# Allegro board 8880F5-0827_txbegin.brd (continued)
## Routing (per net, layer and track width the routed paths; a pad name or vN(x,y) marks a point on that pad's centre or on a via; arc(x,y) is an arc through that point) (continued)
250.33,180.85 ; 408.94,387.81 D112.B6 ; D112.B6 408.94,389.43 ; D112.B6 408.13,388.62 ; D112.B6 409.75,388.62 ; SITE2.G8 329.33,248.41 ; SITE2.G8 328.85,247.93 ; SITE2.G8 329.81,247.93 ; SITE2.G8 329.33,247.45 ; 316.69,53.34 D103.A5 ; D103.A5 318.31,53.34 ; D103.A5 317.5,54.15 ; D103.A5 317.5,52.53 ; D103.B1 307.34,59.23 ; D103.B1 308.15,58.42 ; D103.B1 306.53,58.42 ; D103.B1 307.34,57.61 ; 179.63,83.82 D317.A9 ; D317.A9 181.05,83.82 ; D317.A9 180.34,83.11 ; D317.A9 180.34,84.53 ; D104.B16 345.44,41.45 ; D104.B16 346.25,40.64 ; D104.B16 345.44,39.83 ; D104.B16 344.63,40.64 ; D119.A1 160.83,53.34 ; D119.A1 160.02,54.15 ; D119.A1 159.21,53.34 ; D119.A1 160.02,52.53 ; 388.62,347.17 D110.B14 ; D110.B14 388.62,348.79 ; D110.B14 389.43,347.98 ; D110.B14 387.81,347.98 ; 199.85,375.92 D231.A1 ; D231.A1 201.47,375.92 ; D231.A1 200.66,375.11 ; D231.A1 200.66,376.73 ; D109.A13 391.16,336.09 ; D109.A13 390.35,335.28 ; D109.A13 391.16,334.47 ; D109.A13 391.97,335.28 ; 387.81,353.06 D110.A14 ; D110.A14 389.43,353.06 ; D110.A14 388.62,352.25 ; D110.A14 388.62,353.87 ; 161.75,332.74 CSDPS229.B16 ; CSDPS229.B16 162.56,333.55 ; CSDPS229.B16 162.56,331.93 ; CSDPS229.B16 163.37,332.74 ; 309.88,352.25 D114.A16 ; D114.A16 310.69,353.06 ; D114.A16 309.88,353.87 ; D114.A16 309.07,353.06 ; 29.67,35.56 D128.A8 ; D128.A8 31.29,35.56 ; D128.A8 30.48,36.37 ; D128.A8 30.48,34.75 ; 254,32.21 D124.A9 ; D124.A9 254.81,33.02 ; D124.A9 254,33.83 ; D124.A9 253.19,33.02 ; D127.B11 38.91,58.42 ; D127.B11 38.1,57.61 ; D127.B11 38.1,59.23 ; D127.B11 37.29,58.42 ; D431.A11 176.07,386.08 ; D431.A11 175.26,385.27 ; D431.A11 174.45,386.08 ; D431.A11 175.26,386.89 ; D102.A6 320.85,76.2 ; D102.A6 320.04,75.39 ; D102.A6 319.23,76.2 ; D102.A6 320.04,77.01 ; D111.A13 391.97,375.92 ; D111.A13 391.16,375.11 ; D111.A13 390.35,375.92 ; D111.A13 391.16,376.73 ; 408.13,347.98 D110.B6 ; D110.B6 408.94,348.79 ; D110.B6 409.75,347.98 ; D110.B6 408.94,347.17 ; D131.B3 91.44,59.23 ; D131.B3 92.25,58.42 ; D131.B3 91.44,57.61 ; D131.B3 90.63,58.42 ; CSDPS429.B12 172.72,343.71 ; CSDPS429.B12 172.72,342.09 ; CSDPS429.B12 171.91,342.9 ; CSDPS429.B12 173.53,342.9 ; 194.87,83.82 D317.A15 ; D317.A15 195.58,83.11 ; D317.A15 196.29,83.82 ; D317.A15 195.58,84.53 ; D120.B6 172.72,41.45 ; D120.B6 171.91,40.64 ; D120.B6 172.72,39.83 ; D120.B6 173.53,40.64 ; 391.16,329.39 D109.B13 ; D109.B13 391.97,330.2 ; D109.B13 390.35,330.2 ; D109.B13 391.16,331.01 ; 237.95,78.74 D122.B3 ; D122.B3 239.57,78.74 ; D122.B3 238.76,77.93 ; D122.B3 238.76,79.55 ; 320.04,331.93 D113.A12 ; D113.A12 320.04,333.55 ; D113.A12 320.85,332.74 ; D113.A12 319.23,332.74 ; D130.B16 124.46,82.09 ; D130.B16 125.27,81.28 ; D130.B16 124.46,80.47 ; D130.B16 123.65,81.28 ; 391.16,32.21 D108.A5 ; D108.A5 391.97,33.02 ; D108.A5 391.16,33.83 ; D108.A5 390.35,33.02 ; 420.83,391.16 D112.B1 ; D112.B1 421.64,391.97 ; D112.B1 422.45,391.16 ; D112.B1 421.64,390.35 ; 11.89,78.74 D126.B1 ; D126.B1 12.7,77.93 ; D126.B1 12.7,79.55 ; D126.B1 13.51,78.74 ; 42.37,93.98 D125.A13 ; D125.A13 43.18,93.17 ; D125.A13 43.18,94.79 ; D125.A13 43.99,93.98 ; 328.55,182.83 SITE4.G13 ; SITE4.G13 329.51,182.83 ; SITE4.G13 329.03,183.31 ; SITE4.G13 329.03,182.35 ; 253.19,340.36 CSDPS425.C9 ; CSDPS425.C9 254,339.55 ; CSDPS425.C9 254.81,340.36 ; CSDPS425.C9 254,341.17 ; CSDPS425.C11 249.73,340.36 ; CSDPS425.C11 248.11,340.36 ; CSDPS425.C11 248.92,339.55 ; CSDPS425.C11 248.92,341.17 ; SITE3.G15 251.91,182.83 ; SITE3.G15 250.95,182.83 ; SITE3.G15 251.43,183.31 ; SITE3.G15 251.43,182.35 ; 266.7,60.15 D123.B14 ; D123.B14 266.7,61.77 ; D123.B14 267.51,60.96 ; D123.B14 265.89,60.96 ; 397.97,327.66 D109.B10 ; D109.B10 398.78,326.85 ; D109.B10 399.59,327.66 ; D109.B10 398.78,328.47 ; 332.33,247.45 SITE2.G11 ; SITE2.G11 331.85,247.93 ; SITE2.G11 332.81,247.93 ; SITE2.G11 332.33,248.41 ; D125.B10 36.37,101.6 ; D125.B10 35.56,100.79 ; D125.B10 35.56,102.41 ; D125.B10 34.75,101.6 ; D305.B5 391.87,88.9 ; D305.B5 390.45,88.9 ; D305.B5 391.16,89.61 ; D305.B5 391.16,88.19 ; D122.A14 266.7,77.01 ; D122.A14 267.51,76.2 ; D122.A14 266.7,75.39 ; D122.A14 265.89,76.2 ; D102.B13 338.63,78.74 ; D102.B13 337.01,78.74 ; D102.B13 337.82,77.93 ; D102.B13 337.82,79.55 ; 165.1,72.85 D118.A3 ; D118.A3 165.1,74.47 ; D118.A3 165.91,73.66 ; D118.A3 164.29,73.66 ; D118.A11 185.42,74.47 ; D118.A11 184.61,73.66 ; D118.A11 186.23,73.66 ; D118.A11 185.42,72.85 ; 322.58,83.11 D301.A7 ; D301.A7 323.29,83.82 ; D301.A7 322.58,84.53 ; D301.A7 321.87,83.82 ; D125.A10 35.56,97.33 ; D125.A10 34.75,96.52 ; D125.A10 35.56,95.71 ; D125.A10 36.37,96.52 ; 243.84,18.24 DPS3.C05 ; DPS3.C05 244.65,19.05 ; DPS3.C05 243.84,19.86 ; DPS3.C05 243.03,19.05 ; 174.45,33.02 D120.A7 ; D120.A7 175.26,32.21 ; D120.A7 176.07,33.02 ; D120.A7 175.26,33.83 ; 162.56,34.75 D120.A2 ; D120.A2 161.75,35.56 ; D120.A2 162.56,36.37 ; D120.A2 163.37,35.56 ; 236.22,90.73 D321.B2 ; D321.B2 236.93,91.44 ; D321.B2 235.51,91.44 ; D321.B2 236.22,92.15 ; D302.A8 325.83,66.04 ; D302.A8 325.12,66.75 ; D302.A8 324.41,66.04 ; D302.A8 325.12,65.33 ; 243.84,67.87 D322.B5 ; D322.B5 244.55,68.58 ; D322.B5 243.84,69.29 ; D322.B5 243.13,68.58 ; D108.A10 403.86,36.37 ; D108.A10 404.67,35.56 ; D108.A10 403.05,35.56 ; D108.A10 403.86,34.75 ; 235.41,81.28 D122.B2 ; D122.B2 236.22,82.09 ; D122.B2 237.03,81.28 ; D122.B2 236.22,80.47 ; 414.02,80.47 D106.B14 ; D106.B14 414.83,81.28 ; D106.B14 413.21,81.28 ; D106.B14 414.02,82.09 ; D116.A8 330.2,394.51 ; D116.A8 329.39,393.7 ; D116.A8 330.2,392.89 ; D116.A8 331.01,393.7 ; 326.85,53.34 D103.A9 ; D103.A9 328.47,53.34 ; D103.A9 327.66,54.15 ; D103.A9 327.66,52.53 ; 39.83,40.64 D128.B12 ; D128.B12 41.45,40.64 ; D128.B12 40.64,41.45 ; D128.B12 40.64,39.83 ; 266.7,55.07 D123.A14 ; D123.A14 267.51,55.88 ; D123.A14 266.7,56.69 ; D123.A14 265.89,55.88 ; D119.B2 162.56,61.77 ; D119.B2 161.75,60.96 ; D119.B2 162.56,60.15 ; D119.B2 163.37,60.96 ; SITE1.G7 248.81,247.93 ; SITE1.G7 248.33,247.45 ; SITE1.G7 247.85,247.93 ; SITE1.G7 248.33,248.41 ; 403.15,71.12 D306.B10 ; D306.B10 404.57,71.12 ; D306.B10 403.86,70.41 ; D306.B10 403.86,71.83 ; D322.B11 259.79,68.58 ; D322.B11 259.08,67.87 ; D322.B11 258.37,68.58 ; D322.B11 259.08,69.29 ; D116.B11 323.39,391.16 ; D116.B11 322.58,391.97 ; D116.B11 321.77,391.16 ; D116.B11 322.58,390.35 ; D127.B2 15.24,61.77 ; D127.B2 16.05,60.96 ; D127.B2 15.24,60.15 ; D127.B2 14.43,60.96 ; 93.17,81.28 D130.B4 ; D130.B4 94.79,81.28 ; D130.B4 93.98,82.09 ; D130.B4 93.98,80.47 ; D124.A6 246.38,36.37 ; D124.A6 245.57,35.56 ; D124.A6 247.19,35.56 ; D124.A6 246.38,34.75 ; D113.B8 330.2,328.47 ; D113.B8 330.2,326.85 ; D113.B8 331.01,327.66 ; D113.B8 329.39,327.66 ; D321.A5 243.84,84.53 ; D321.A5 243.13,83.82 ; D321.A5 244.55,83.82 ; D321.A5 243.84,83.11 ; D106.A6 394.51,76.2 ; D106.A6 393.7,77.01 ; D106.A6 393.7,75.39 ; D106.A6 392.89,76.2 ; D119.B8 178.61,60.96 ; D119.B8 177.8,61.77 ; D119.B8 176.99,60.96 ; D119.B8 177.8,60.15 ; 96.52,37.29 D132.B5 ; D132.B5 96.52,38.91 ; D132.B5 97.33,38.1 ; D132.B5 95.71,38.1 ; D109.B4 414.83,327.66 ; D109.B4 414.02,328.47 ; D109.B4 413.21,327.66 ; D109.B4 414.02,326.85 ; CSDPS429.B4 193.04,343.71 ; CSDPS429.B4 193.85,342.9 ; CSDPS429.B4 193.04,342.09 ; CSDPS429.B4 192.23,342.9 ; D120.B5 170.99,38.1 ; D120.B5 170.18,37.29 ; D120.B5 169.37,38.1 ; D120.B5 170.18,38.91 ; 248.11,78.74 D122.B7 ; D122.B7 248.92,79.55 ; D122.B7 249.73,78.74 ; D122.B7 248.92,77.93 ; 175.26,375.11 D231.A11 ; D231.A11 176.07,375.92 ; D231.A11 175.26,376.73 ; D231.A11 174.45,375.92 ; D116.B10 325.12,389.43 ; D116.B10 324.31,388.62 ; D116.B10 325.12,387.81 ; D116.B10 325.93,388.62 ; CSDPS425.C7 259.08,341.17 ; CSDPS425.C7 258.27,340.36 ; CSDPS425.C7 259.08,339.55 ; CSDPS425.C7 259.89,340.36 ; 249.75,246.43 SITE1.G18 ; SITE1.G18 250.23,246.91 ; SITE1.G18 250.23,245.95 ; SITE1.G18 250.71,246.43 ; D126.A11 38.91,73.66 ; D126.A11 38.1,72.85 ; D126.A11 37.29,73.66 ; D126.A11 38.1,74.47 ; 85.55,78.74 D130.B1 ; D130.B1 86.36,77.93 ; D130.B1 87.17,78.74 ; D130.B1 86.36,79.55 ; 403.86,372.57 D111.A8 ; D111.A8 403.05,373.38 ; D111.A8 403.86,374.19 ; D111.A8 404.67,373.38 ; D302.B7 323.29,68.58 ; D302.B7 322.58,67.87 ; D302.B7 321.87,68.58 ; D302.B7 322.58,69.29 ; 314.15,353.06 D114.A14 ; D114.A14 314.96,353.87 ; D114.A14 314.96,352.25 ; D114.A14 315.77,353.06 ; 197.31,81.28 D118.B16 ; D118.B16 198.12,80.47 ; D118.B16 198.93,81.28 ; D118.B16 198.12,82.09 ; 189.79,88.9 D317.B13 ; D317.B13 190.5,89.61 ; D317.B13 190.5,88.19 ; D317.B13 191.21,88.9 ; 48.26,98.25 D125.B15 ; D125.B15 47.45,99.06 ; D125.B15 48.26,99.87 ; D125.B15 49.07,99.06 ; DPS8.C15 165.1,411.02 ; DPS8.C15 164.29,410.21 ; DPS8.C15 165.1,409.4 ; DPS8.C15 165.91,410.21 ; D129.B5 96.52,99.87 ; D129.B5 96.52,98.25 ; D129.B5 97.33,99.06 ; D129.B5 95.71,99.06 ; 170.18,329.39 CSDPS229.C13 ; CSDPS229.C13 170.18,331.01 ; CSDPS229.C13 170.99,330.2 ; CSDPS229.C13 169.37,330.2 ; 342.9,62.79 D302.A15 ; D302.A15 343.61,63.5 ; D302.A15 342.19,63.5 ; D302.A15 342.9,64.21 ; D127.B8 31.29,60.96 ; D127.B8 29.67,60.96 ; D127.B8 30.48,61.77 ; D127.B8 30.48,60.15 ; D322.B12 261.62,71.83 ; D322.B12 261.62,70.41 ; D322.B12 260.91,71.12 ; D322.B12 262.33,71.12 ; D112.A14 389.43,393.7 ; D112.A14 388.62,392.89 ; D112.A14 388.62,394.51 ; D112.A14 387.81,393.7 ; D119.A14 193.85,55.88 ; D119.A14 193.04,56.69 ; D119.A14 193.04,55.07 ; D119.A14 192.23,55.88 ; 190.5,77.93 D118.B13 ; D118.B13 191.31,78.74 ; D118.B13 189.69,78.74 ; D118.B13 190.5,79.55 ; D317.A16 198.83,86.36 ; D317.A16 197.41,86.36 ; D317.A16 198.12,87.07 ; D317.A16 198.12,85.65 ; 93.98,55.07 D131.A4 ; D131.A4 93.98,56.69 ; D131.A4 94.79,55.88 ; D131.A4 93.17,55.88 ; D102.B7 322.58,79.55 ; D102.B7 323.39,78.74 ; D102.B7 321.77,78.74 ; D102.B7 322.58,77.93 ; D103.A8 325.12,56.69 ; D103.A8 324.31,55.88 ; D103.A8 325.93,55.88 ; D103.A8 325.12,55.07 ; 342.9,395.43 D116.A3 ; D116.A3 342.09,396.24 ; D116.A3 342.9,397.05 ; D116.A3 343.71,396.24 ; D301.B11 332.74,89.61 ; D301.B11 333.45,88.9 ; D301.B11 332.03,88.9 ; D301.B11 332.74,88.19 ; 393.7,367.49 D111.B12 ; D111.B12 392.89,368.3 ; D111.B12 393.7,369.11 ; D111.B12 394.51,368.3 ; 266.7,34.75 D124.A14 ; D124.A14 267.51,35.56 ; D124.A14 265.89,35.56 ; D124.A14 266.7,36.37 ; 14.43,55.88 D127.A2 ; D127.A2 15.24,56.69 ; D127.A2 15.24,55.07 ; D127.A2 16.05,55.88 ; 405.59,370.84 D111.B7 ; D111.B7 406.4,370.03 ; D111.B7 406.4,371.65 ; D111.B7 407.21,370.84 ; D317.A2 163.27,86.36 ; D317.A2 162.56,87.07 ; D317.A2 161.85,86.36 ; D317.A2 162.56,85.65 ; D116.A13 318.31,396.24 ; D116.A13 317.5,395.43 ; D116.A13 317.5,397.05 ; D116.A13 316.69,396.24 ; D118.B7 175.26,79.55 ; D118.B7 176.07,78.74 ; D118.B7 175.26,77.93 ; D118.B7 174.45,78.74 ; 319.33,86.36 D301.A6 ; D301.A6 320.75,86.36 ; D301.A6 320.04,87.07 ; D301.A6 320.04,85.65 ; D115.A1 347.98,376.73 ; D115.A1 348.79,375.92 ; D115.A1 347.17,375.92 ; D115.A1 347.98,375.11 ; 40.64,75.39 D126.A12 ; D126.A12 39.83,76.2 ; D126.A12 40.64,77.01 ; D126.A12 41.45,76.2 ; 27.13,78.74 D126.B7 ; D126.B7 28.75,78.74 ; D126.B7 27.94,79.55 ; D126.B7 27.94,77.93 ; 85.55,33.02 D132.A1 ; D132.A1 87.17,33.02 ; D132.A1 86.36,32.21 ; D132.A1 86.36,33.83 ; D124.A2 237.03,35.56 ; D124.A2 236.22,34.75 ; D124.A2 236.22,36.37 ; D124.A2 235.41,35.56 ; 337.11,88.9 D301.B13 ; D301.B13 337.82,88.19 ; D301.B13 337.82,89.61 ; D301.B13 338.53,88.9 ; 251.46,60.15 D123.B8 ; D123.B8 250.65,60.96 ; D123.B8 251.46,61.77 ; D123.B8 252.27,60.96 ; 408.13,327.66 D109.B6 ; D109.B6 408.94,326.85 ; D109.B6 408.94,328.47 ; D109.B6 409.75,327.66 ; D123.B15 269.24,59.23 ; D123.B15 269.24,57.61 ; D123.B15 270.05,58.42 ; D123.B15 268.43,58.42 ; 106.68,93.17 D129.A9 ; D129.A9 107.49,93.98 ; D129.A9 105.87,93.98 ; D129.A9 106.68,94.79 ; 261.62,80.47 D122.B12 ; D122.B12 260.81,81.28 ; D122.B12 262.43,81.28 ; D122.B12 261.62,82.09 ; D108.A4 388.62,36.37 ; D108.A4 387.81,35.56 ; D108.A4 388.62,34.75 ; D108.A4 389.43,35.56 ; D318.B15 196.29,68.58 ; D318.B15 195.58,67.87 ; D318.B15 195.58,69.29 ; D318.B15 194.87,68.58 ; 269.24,329.39 CSDPS225.C3 ; CSDPS225.C3 269.24,331.01 ; CSDPS225.C3 270.05,330.2 ; CSDPS225.C3 268.43,330.2 ; D127.B15 49.07,58.42 ; D127.B15 47.45,58.42 ; D127.B15 48.26,57.61 ; D127.B15 48.26,59.23 ; D120.A14 193.04,36.37 ; D120.A14 192.23,35.56 ; D120.A14 193.04,34.75 ; D120.A14 193.85,35.56 ; D102.A11 333.55,73.66 ; D102.A11 332.74,72.85 ; D102.A11 331.93,73.66 ; D102.A11 332.74,74.47 ; 238.76,62.79 D322.A3 ; D322.A3 239.47,63.5 ; D322.A3 238.05,63.5 ; D322.A3 238.76,64.21 ; 418.39,86.36 D305.A16 ; D305.A16 419.1,85.65 ; D305.A16 419.81,86.36 ; D305.A16 419.1,87.07 ; 403.86,90.73 D305.B10 ; D305.B10 403.15,91.44 ; D305.B10 403.86,92.15 ; D305.B10 404.57,91.44 ; D107.B15 417.37,58.42 ; D107.B15 415.75,58.42 ; D107.B15 416.56,59.23 ; D107.B15 416.56,57.61 ; D119.A7 176.07,53.34 ; D119.A7 175.26,52.53 ; D119.A7 175.26,54.15 ; D119.A7 174.45,53.34 ; 324.31,40.64 D104.B8 ; D104.B8 325.12,39.83 ; D104.B8 325.12,41.45 ; D104.B8 325.93,40.64 ; 329.03,245.95 SITE2.G17 ; SITE2.G17 329.51,246.43 ; SITE2.G17 329.03,246.91 ; SITE2.G17 328.55,246.43 ; 388.62,80.47 D106.B4 ; D106.B4 389.43,81.28 ; D106.B4 388.62,82.09 ; D106.B4 387.81,81.28 ; 408.13,55.88 D107.A12 ; D107.A12 408.94,56.69 ; D107.A12 409.75,55.88 ; D107.A12 408.94,55.07 ; D119.B10 182.88,61.77 ; D119.B10 183.69,60.96 ; D119.B10 182.07,60.96 ; D119.B10 182.88,60.15 ; 106.68,98.25 D129.B9 ; D129.B9 107.49,99.06 ; D129.B9 106.68,99.87 ; D129.B9 105.87,99.06 ; 22.05,38.1 D128.B5 ; D128.B5 22.86,38.91 ; D128.B5 22.86,37.29 ; D128.B5 23.67,38.1 ; 161.75,76.2 D118.A2 ; D118.A2 163.37,76.2 ; D118.A2 162.56,75.39 ; D118.A2 162.56,77.01 ; 410.67,73.66 D106.A13 ; D106.A13 411.48,72.85 ; D106.A13 411.48,74.47 ; D106.A13 412.29,73.66 ; D130.B14 119.38,82.09 ; D130.B14 118.57,81.28 ; D130.B14 120.19,81.28 ; D130.B14 119.38,80.47 ; 319.23,40.64 D104.B6 ; D104.B6 320.85,40.64 ; D104.B6 320.04,41.45 ; D104.B6 320.04,39.83 ; 316.69,73.66 D102.A5 ; D102.A5 317.5,72.85 ; D102.A5 317.5,74.47 ; D102.A5 318.31,73.66 ; 86.36,37.29 D132.B1 ; D132.B1 85.55,38.1 ; D132.B1 86.36,38.91 ; D132.B1 87.17,38.1 ; 241.3,65.33 D322.A4 ; D322.A4 241.3,66.75 ; D322.A4 240.59,66.04 ; D322.A4 242.01,66.04 ; D111.B2 419.91,368.3 ; D111.B2 418.29,368.3 ; D111.B2 419.1,369.11 ; D111.B2 419.1,367.49 ; D317.B9 181.05,88.9 ; D317.B9 180.34,88.19 ; D317.B9 179.63,88.9 ; D317.B9 180.34,89.61 ; 91.44,32.21 D132.A3 ; D132.A3 90.63,33.02 ; D132.A3 92.25,33.02 ; D132.A3 91.44,33.83 ; 187.96,55.07 D119.A12 ; D119.A12 188.77,55.88 ; D119.A12 187.96,56.69 ; D119.A12 187.15,55.88 ; D122.A3 239.57,73.66 ; D122.A3 238.76,72.85 ; D122.A3 237.95,73.66 ; D122.A3 238.76,74.47 ; D103.B10 331.01,60.96 ; D103.B10 329.39,60.96 ; D103.B10 330.2,61.77 ; D103.B10 330.2,60.15 ; 312.42,32.21 D104.A3 ; D104.A3 313.23,33.02 ; D104.A3 312.42,33.83 ; D104.A3 311.61,33.02 ; 408.13,353.06 D110.A6 ; D110.A6 408.94,353.87 ; D110.A6 408.94,352.25 ; D110.A6 409.75,353.06 ; 382.73,332.74 D109.A16 ; D109.A16 384.35,332.74 ; D109.A16 383.54,333.55 ; D109.A16 383.54,331.93 ; 187.15,378.46 D431.B6 ; D431.B6 188.77,378.46 ; D431.B6 187.96,377.65 ; D431.B6 187.96,379.27 ; D231.B13 170.99,370.84 ; D231.B13 170.18,371.65 ; D231.B13 170.18,370.03 ; D231.B13 169.37,370.84 ; D106.A14 414.83,76.2 ; D106.A14 414.02,77.01 ; D106.A14 414.02,75.39 ; D106.A14 413.21,76.2 ; D305.A7 396.24,84.53 ; D305.A7 395.53,83.82 ; D305.A7 396.24,83.11 ; D305.A7 396.95,83.82 ; D107.B12 408.94,61.77 ; D107.B12 408.94,60.15 ; D107.B12 408.13,60.96 ; D107.B12 409.75,60.96 ; 337.01,375.92 D115.A5 ; D115.A5 337.82,376.73 ; D115.A5 337.82,375.11 ; D115.A5 338.63,375.92 ; 314.25,66.04 D302.A4 ; D302.A4 314.96,66.75 ; D302.A4 315.67,66.04 ; D302.A4 314.96,65.33 ; D124.B7 248.92,38.91 ; D124.B7 248.92,37.29 ; D124.B7 249.73,38.1 ; D124.B7 248.11,38.1 ; 334.47,76.2 D102.A12 ; D102.A12 335.28,77.01 ; D102.A12 336.09,76.2 ; D102.A12 335.28,75.39 ; D108.A7 397.05,33.02 ; D108.A7 396.24,33.83 ; D108.A7 396.24,32.21 ; D108.A7 395.43,33.02 ; SITE3.G10 251.33,188.41 ; SITE3.G10 250.85,187.93 ; SITE3.G10 251.33,187.45 ; SITE3.G10 251.81,187.93 ; 248.11,33.02 D124.A7 ; D124.A7 248.92,33.83 ; D124.A7 248.92,32.21 ; D124.A7 249.73,33.02 ; D122.A9 254,74.47 ; D122.A9 254,72.85 ; D122.A9 254.81,73.66 ; D122.A9 253.19,73.66 ; D120.B3 165.91,38.1 ; D120.B3 165.1,38.91 ; D120.B3 164.29,38.1 ; D120.B3 165.1,37.29 ; 306.63,63.5 D302.A1 ; D302.A1 308.05,63.5 ; D302.A1 307.34,64.21 ; D302.A1 307.34,62.79 ; 176.99,368.3 D231.B10 ; D231.B10 178.61,368.3 ; D231.B10 177.8,369.11 ; D231.B10 177.8,367.49 ; D231.A8 183.69,373.38 ; D231.A8 182.07,373.38 ; D231.A8 182.88,372.57 ; D231.A8 182.88,374.19 ; D104.B10 330.2,41.45 ; D104.B10 331.01,40.64 ; D104.B10 330.2,39.83 ; D104.B10 329.39,40.64 ; D126.A10 36.37,76.2 ; D126.A10 34.75,76.2 ; D126.A10 35.56,77.01 ; D126.A10 35.56,75.39 ; D431.A14 168.45,383.54 ; D431.A14 166.83,383.54 ; D431.A14 167.64,382.73 ; D431.A14 167.64,384.35 ; D431.B12 172.72,379.27 ; D431.B12 173.53,378.46 ; D431.B12 171.91,378.46 ; D431.B12 172.72,377.65 ; 166.83,55.88 D119.A4 ; D119.A4 167.64,55.07 ; D119.A4 167.64,56.69 ; D119.A4 168.45,55.88 ; D107.B14 414.02,61.77 ; D107.B14 413.21,60.96 ; D107.B14 414.02,60.15 ; D107.B14 414.83,60.96 ; 396.24,37.29 D108.B7 ; D108.B7 396.24,38.91 ; D108.B7 397.05,38.1 ; D108.B7 395.43,38.1 ; D301.B8 325.83,91.44 ; D301.B8 325.12,92.15 ; D301.B8 324.41,91.44 ; D301.B8 325.12,90.73 ; 235.41,55.88 D123.A2 ; D123.A2 236.22,56.69 ; D123.A2 236.22,55.07 ; D123.A2 237.03,55.88 ; D128.B1 12.7,38.91 ; D128.B1 11.89,38.1 ; D128.B1 13.51,38.1 ; D128.B1 12.7,37.29 ; 311.61,38.1 D104.B3 ; D104.B3 313.23,38.1 ; D104.B3 312.42,38.91 ; D104.B3 312.42,37.29 ; 410.67,396.24 D112.A5 ; D112.A5 411.48,395.43 ; D112.A5 412.29,396.24 ; D112.A5 411.48,397.05 ; 114.3,75.39 D130.A12 ; D130.A12 114.3,77.01 ; D130.A12 113.49,76.2 ; D130.A12 115.11,76.2 ; 390.35,396.24 D112.A13 ; D112.A13 391.97,396.24 ; D112.A13 391.16,395.43 ; D112.A13 391.16,397.05 ; D123.B11 259.89,58.42 ; D123.B11 258.27,58.42 ; D123.B11 259.08,57.61 ; D123.B11 259.08,59.23 ; 381,62.79 D306.A1 ; D306.A1 380.29,63.5 ; D306.A1 381,64.21 ; D306.A1 381.71,63.5 ; UNK2U1.4 483.53,228.55 ; UNK2U1.4 482.59,229.49 ; UNK2U1.4 482.59,227.61 ; UNK2U1.4 481.65,228.55 ; D112.B12 394.51,388.62 ; D112.B12 393.7,389.43 ; D112.B12 393.7,387.81 ; D112.B12 392.89,388.62 ; D317.B11 186.13,88.9 ; D317.B11 185.42,88.19 ; D317.B11 184.71,88.9 ; D317.B11 185.42,89.61 ; SITE4.G2 329.81,181.33 ; SITE4.G2 328.85,181.33 ; SITE4.G2 329.33,180.85 ; SITE4.G2 329.33,181.81 ; D119.A5 170.99,53.34 ; D119.A5 169.37,53.34 ; D119.A5 170.18,54.15 ; D119.A5 170.18,52.53 ; D131.A16 125.27,55.88 ; D131.A16 123.65,55.88 ; D131.A16 124.46,56.69 ; D131.A16 124.46,55.07 ; CSDPS429.C5 190.5,341.17 ; CSDPS429.C5 190.5,339.55 ; CSDPS429.C5 191.31,340.36 ; CSDPS429.C5 189.69,340.36 ; 391.16,57.61 D107.B5 ; D107.B5 391.97,58.42 ; D107.B5 390.35,58.42 ; D107.B5 391.16,59.23 ; 408.94,331.93 D109.A6 ; D109.A6 409.75,332.74 ; D109.A6 408.13,332.74 ; D109.A6 408.94,333.55 ; D109.B12 393.7,328.47 ; D109.B12 393.7,326.85 ; D109.B12 394.51,327.66 ; D109.B12 392.89,327.66 ; D130.A5 96.52,74.47 ; D130.A5 95.71,73.66 ; D130.A5 97.33,73.66 ; D130.A5 96.52,72.85 ; 98.25,96.52 D129.A6 ; D129.A6 99.87,96.52 ; D129.A6 99.06,95.71 ; D129.A6 99.06,97.33 ; D318.A15 196.29,63.5 ; D318.A15 194.87,63.5 ; D318.A15 195.58,64.21 ; D318.A15 195.58,62.79 ; D119.B6 173.53,60.96 ; D119.B6 171.91,60.96 ; D119.B6 172.72,61.77 ; D119.B6 172.72,60.15 ; 309.07,368.3 D115.B16 ; D115.B16 309.88,369.11 ; D115.B16 310.69,368.3 ; D115.B16 309.88,367.49 ; D108.B8 399.59,40.64 ; D108.B8 397.97,40.64 ; D108.B8 398.78,39.83 ; D108.B8 398.78,41.45 ; 391.16,77.93 D106.B5 ; D106.B5 390.35,78.74 ; D106.B5 391.16,79.55 ; D106.B5 391.97,78.74 ; 263.45,88.9 D321.B13 ; D321.B13 264.16,88.19 ; D321.B13 264.87,88.9 ; D321.B13 264.16,89.61 ; 312.42,67.87 D302.B3 ; D302.B3 312.42,69.29 ; D302.B3 311.71,68.58 ; D302.B3 313.13,68.58 ; D110.B15 386.08,351.33 ; D110.B15 385.27,350.52 ; D110.B15 386.89,350.52 ; D110.B15 386.08,349.71 ; 413.31,91.44 D305.B14 ; D305.B14 414.02,90.73 ; D305.B14 414.02,92.15 ; D305.B14 414.73,91.44 ; 327.85,181.33 SITE4.G1 ; SITE4.G1 328.81,181.33 ; SITE4.G1 328.33,180.85 ; SITE4.G1 328.33,181.81 ; D107.B16 419.91,60.96 ; D107.B16 418.29,60.96 ; D107.B16 419.1,60.15 ; D107.B16 419.1,61.77 ; 335.28,392.89 D116.A6 ; D116.A6 335.28,394.51 ; D116.A6 336.09,393.7 ; D116.A6 334.47,393.7 ; D112.A10 398.78,394.51 ; D112.A10 398.78,392.89 ; D112.A10 399.59,393.7 ; D112.A10 397.97,393.7 ; D231.B2 198.12,369.11 ; D231.B2 198.12,367.49 ; D231.B2 197.31,368.3 ; D231.B2 198.93,368.3 ; D119.A15 196.39,53.34 ; D119.A15 195.58,52.53 ; D119.A15 195.58,54.15 ; D119.A15 194.77,53.34 ; D132.B13 117.65,38.1 ; D132.B13 116.84,38.91 ; D132.B13 116.03,38.1 ; D132.B13 116.84,37.29 ; 258.27,330.2 CSDPS225.C7 ; CSDPS225.C7 259.08,329.39 ; CSDPS225.C7 259.08,331.01 ; CSDPS225.C7 259.89,330.2 ; D112.B2 419.91,388.62 ; D112.B2 419.1,389.43 ; D112.B2 418.29,388.62 ; D112.B2 419.1,387.81 ; 325.12,34.75 D104.A8 ; D104.A8 324.31,35.56 ; D104.A8 325.93,35.56 ; D104.A8 325.12,36.37 ; D106.A12 409.75,76.2 ; D106.A12 408.94,75.39 ; D106.A12 408.13,76.2 ; D106.A12 408.94,77.01 ; CSDPS425.B14 241.3,343.71 ; CSDPS425.B14 241.3,342.09 ; CSDPS425.B14 242.11,342.9 ; CSDPS425.B14 240.49,342.9 ; D302.B9 328.37,68.58 ; D302.B9 327.66,69.29 ; D302.B9 327.66,67.87 ; D302.B9 326.95,68.58 ; 332.63,242.35 SITE2.G16 ; SITE2.G16 332.63,243.31 ; SITE2.G16 333.11,242.83 ; SITE2.G16 332.15,242.83 ; D102.B16 345.44,82.09 ; D102.B16 344.63,81.28 ; D102.B16 345.44,80.47 ; D102.B16 346.25,81.28 ; 312.42,354.79 D114.A15 ; D114.A15 312.42,356.41 ; D114.A15 311.61,355.6 ; D114.A15 313.23,355.6 ; 42.37,38.1 D128.B13 ; D128.B13 43.99,38.1 ; D128.B13 43.18,38.91 ; D128.B13 43.18,37.29 ; D122.B10 256.54,82.09 ; D122.B10 256.54,80.47 ; D122.B10 257.35,81.28 ; D122.B10 255.73,81.28 ; D124.A16 272.59,35.56 ; D124.A16 271.78,36.37 ; D124.A16 270.97,35.56 ; D124.A16 271.78,34.75 ; D306.A16 419.1,66.75 ; D306.A16 419.81,66.04 ; D306.A16 418.39,66.04 ; D306.A16 419.1,65.33 ; D301.B12 335.28,92.15 ; D301.B12 335.28,90.73 ; D301.B12 334.57,91.44 ; D301.B12 335.99,91.44 ; SITE1.G17 249.03,246.91 ; SITE1.G17 248.55,246.43 ; SITE1.G17 249.03,245.95 ; SITE1.G17 249.51,246.43 ; 381,37.29 D108.B1 ; D108.B1 381.81,38.1 ; D108.B1 381,38.91 ; D108.B1 380.19,38.1 ; D317.A4 167.64,87.07 ; D317.A4 167.64,85.65 ; D317.A4 166.93,86.36 ; D317.A4 168.35,86.36 ; 335.28,80.47 D102.B12 ; D102.B12 334.47,81.28 ; D102.B12 335.28,82.09 ; D102.B12 336.09,81.28 ; 88.9,55.07 D131.A2 ; D131.A2 88.09,55.88 ; D131.A2 88.9,56.69 ; D131.A2 89.71,55.88 ; 39.83,55.88 D127.A12 ; D127.A12 40.64,55.07 ; D127.A12 41.45,55.88 ; D127.A12 40.64,56.69 ; D106.B1 381.81,78.74 ; D106.B1 381,77.93 ; D106.B1 380.19,78.74 ; D106.B1 381,79.55 ; CSDPS225.C9 254,331.01 ; CSDPS225.C9 254,329.39 ; CSDPS225.C9 253.19,330.2 ; CSDPS225.C9 254.81,330.2 ; 405.69,68.58 D306.B11 ; D306.B11 407.11,68.58 ; D306.B11 406.4,67.87 ; D306.B11 406.4,69.29 ; D317.B15 196.29,88.9 ; D317.B15 194.87,88.9 ; D317.B15 195.58,89.61 ; D317.B15 195.58,88.19 ; 386.08,390.35 D112.B15 ; D112.B15 386.89,391.16 ; D112.B15 385.27,391.16 ; D112.B15 386.08,391.97 ; 337.82,52.53 D103.A13 ; D103.A13 338.63,53.34 ; D103.A13 337.82,54.15 ; D103.A13 337.01,53.34 ; D110.A3 417.37,355.6 ; D110.A3 416.56,354.79 ; D110.A3 416.56,356.41 ; D110.A3 415.75,355.6 ; 118.57,40.64 D132.B14 ; D132.B14 119.38,41.45 ; D132.B14 120.19,40.64 ; D132.B14 119.38,39.83 ; 395.43,350.52 D110.B11 ; D110.B11 397.05,350.52 ; D110.B11 396.24,349.71 ; D110.B11 396.24,351.33 ; D110.B3 417.37,350.52 ; D110.B3 416.56,351.33 ; D110.B3 415.75,350.52 ; D110.B3 416.56,349.71 ; 184.61,381 D431.B7 ; D431.B7 185.42,381.81 ; D431.B7 185.42,380.19 ; D431.B7 186.23,381 ; D124.A10 257.35,35.56 ; D124.A10 256.54,34.75 ; D124.A10 255.73,35.56 ; D124.A10 256.54,36.37 ; D131.B10 109.22,61.77 ; D131.B10 109.22,60.15 ; D131.B10 108.41,60.96 ; D131.B10 110.03,60.96 ; D306.B9 401.32,69.29 ; D306.B9 402.03,68.58 ; D306.B9 401.32,67.87 ; D306.B9 400.61,68.58 ; 335.28,65.33 D302.A12 ; D302.A12 335.99,66.04 ; D302.A12 335.28,66.75 ; D302.A12 334.57,66.04 ; D118.B6 172.72,82.09 ; D118.B6 171.91,81.28 ; D118.B6 172.72,80.47 ; D118.B6 173.53,81.28 ; D124.A12 261.62,36.37 ; D124.A12 260.81,35.56 ; D124.A12 261.62,34.75 ; D124.A12 262.43,35.56 ; D129.A7 102.41,93.98 ; D129.A7 101.6,93.17 ; D129.A7 100.79,93.98 ; D129.A7 101.6,94.79 ; 169.47,68.58 D318.B5 ; D318.B5 170.89,68.58 ; D318.B5 170.18,69.29 ; D318.B5 170.18,67.87 ; D123.A6 247.19,55.88 ; D123.A6 246.38,56.69 ; D123.A6 246.38,55.07 ; D123.A6 245.57,55.88 ; 397.97,81.28 D106.B8 ; D106.B8 398.78,80.47 ; D106.B8 398.78,82.09 ; D106.B8 399.59,81.28 ; 391.16,37.29 D108.B5 ; D108.B5 390.35,38.1 ; D108.B5 391.16,38.91 ; D108.B5 391.97,38.1 ; 388.62,90.73 D305.B4 ; D305.B4 389.33,91.44 ; D305.B4 387.91,91.44 ; D305.B4 388.62,92.15 ; D306.A4 388.62,66.75 ; D306.A4 389.33,66.04 ; D306.A4 388.62,65.33 ; D306.A4 387.91,66.04 ; D110.B12 393.7,348.79 ; D110.B12 392.89,347.98 ; D110.B12 394.51,347.98 ; D110.B12 393.7,347.17 ; D102.B6 320.04,82.09 ; D102.B6 320.04,80.47 ; D102.B6 319.23,81.28 ; D102.B6 320.85,81.28 ; 27.94,72.85 D126.A7 ; D126.A7 27.94,74.47 ; D126.A7 27.13,73.66 ; D126.A7 28.75,73.66 ; 159.21,33.02 D120.A1 ; D120.A1 160.02,32.21 ; D120.A1 160.02,33.83 ; D120.A1 160.83,33.02 ; 398.07,86.36 D305.A8 ; D305.A8 399.49,86.36 ; D305.A8 398.78,85.65 ; D305.A8 398.78,87.07 ; SITE2.G5 332.81,241.33 ; SITE2.G5 331.85,241.33 ; SITE2.G5 332.33,241.81 ; SITE2.G5 332.33,240.85 ; D102.A3 312.42,74.47 ; D102.A3 312.42,72.85 ; D102.A3 311.61,73.66 ; D102.A3 313.23,73.66 ; D305.A9 402.03,83.82 ; D305.A9 401.32,84.53 ; D305.A9 401.32,83.11 ; D305.A9 400.61,83.82 ; D126.A2 15.24,77.01 ; D126.A2 16.05,76.2 ; D126.A2 14.43,76.2 ; D126.A2 15.24,75.39 ; D301.A15 342.9,84.53 ; D301.A15 342.9,83.11 ; D301.A15 343.61,83.82 ; D301.A15 342.19,83.82 ; 14.43,96.52 D125.A2 ; D125.A2 15.24,97.33 ; D125.A2 15.24,95.71 ; D125.A2 16.05,96.52 ; D113.B11 322.58,331.01 ; D113.B11 321.77,330.2 ; D113.B11 322.58,329.39 ; D113.B11 323.39,330.2 ; D128.A11 38.91,33.02 ; D128.A11 37.29,33.02 ; D128.A11 38.1,32.21 ; D128.A11 38.1,33.83 ; D305.A13 411.48,84.53 ; D305.A13 410.77,83.82 ; D305.A13 412.19,83.82 ; D305.A13 411.48,83.11 ; D126.A6 25.4,77.01 ; D126.A6 26.21,76.2 ; D126.A6 24.59,76.2 ; D126.A6 25.4,75.39 ; D305.B8 399.49,91.44 ; D305.B8 398.78,90.73 ; D305.B8 398.78,92.15 ; D305.B8 398.07,91.44 ; D132.B16 125.27,40.64 ; D132.B16 123.65,40.64 ; D132.B16 124.46,41.45 ; D132.B16 124.46,39.83 ; 250.23,182.35 SITE3.G14 ; SITE3.G14 250.71,182.83 ; SITE3.G14 250.23,183.31 ; SITE3.G14 249.75,182.83 ; D123.B10 257.35,60.96 ; D123.B10 255.73,60.96 ; D123.B10 256.54,61.77 ; D123.B10 256.54,60.15 ; D119.B14 193.04,61.77 ; D119.B14 193.04,60.15 ; D119.B14 193.85,60.96 ; D119.B14 192.23,60.96 ; D118.A16 198.12,77.01 ; D118.A16 198.12,75.39 ; D118.A16 198.93,76.2 ; D118.A16 197.31,76.2 ; 324.31,327.66 D113.B10 ; D113.B10 325.93,327.66 ; D113.B10 325.12,328.47 ; D113.B10 325.12,326.85 ; 419.1,34.75 D108.A16 ; D108.A16 419.91,35.56 ; D108.A16 418.29,35.56 ; D108.A16 419.1,36.37 ; D318.A12 187.96,66.75 ; D318.A12 187.96,65.33 ; D318.A12 188.67,66.04 ; D318.A12 187.25,66.04 ; D104.B13 338.63,38.1 ; D104.B13 337.82,38.91 ; D104.B13 337.01,38.1 ; D104.B13 337.82,37.29 ; D130.A8 104.14,77.01 ; D130.A8 104.95,76.2 ; D130.A8 104.14,75.39 ; D130.A8 103.33,76.2 ; 326.95,88.9 D301.B9 ; D301.B9 327.66,89.61 ; D301.B9 328.37,88.9 ; D301.B9 327.66,88.19 ; D132.A8 104.14,36.37 ; D132.A8 103.33,35.56 ; D132.A8 104.95,35.56 ; D132.A8 104.14,34.75 ; SITE4.G3 330.33,181.81 ; SITE4.G3 329.85,181.33 ; SITE4.G3 330.33,180.85 ; SITE4.G3 330.81,181.33 ; 182.88,377.65 D431.B8 ; D431.B8 182.07,378.46 ; D431.B8 182.88,379.27 ; D431.B8 183.69,378.46 ; 320.04,392.89 D116.A12 ; D116.A12 320.85,393.7 ; D116.A12 320.04,394.51 ; D116.A12 319.23,393.7 ; 408.23,71.12 D306.B12 ; D306.B12 408.94,71.83 ; D306.B12 409.65,71.12 ; D306.B12 408.94,70.41 ; D113.A5 337.82,336.09 ; D113.A5 337.01,335.28 ; D113.A5 337.82,334.47 ; D113.A5 338.63,335.28 ; 327.66,395.43 D116.A9 ; D116.A9 326.85,396.24 ; D116.A9 327.66,397.05 ; D116.A9 328.47,396.24 ; 339.65,66.04 D302.A14 ; D302.A14 341.07,66.04 ; D302.A14 340.36,66.75 ; D302.A14 340.36,65.33 ; 243.03,73.66 D122.A5 ; D122.A5 243.84,74.47 ; D122.A5 243.84,72.85 ; D122.A5 244.65,73.66 ; 333.33,247.45 SITE2.G12 ; SITE2.G12 333.33,248.41 ; SITE2.G12 333.81,247.93 ; SITE2.G12 332.85,247.93 ; 314.96,75.39 D102.A4 ; D102.A4 314.96,77.01 ; D102.A4 315.77,76.2 ; D102.A4 314.15,76.2 ; D132.A9 107.49,33.02 ; D132.A9 105.87,33.02 ; D132.A9 106.68,32.21 ; D132.A9 106.68,33.83 ; D107.A15 417.37,53.34 ; D107.A15 416.56,52.53 ; D107.A15 416.56,54.15 ; D107.A15 415.75,53.34 ; 121.92,32.21 D132.A15 ; D132.A15 122.73,33.02 ; D132.A15 121.92,33.83 ; D132.A15 121.11,33.02 ; 339.65,91.44 D301.B14 ; D301.B14 340.36,90.73 ; D301.B14 341.07,91.44 ; D301.B14 340.36,92.15 ; D115.A6 336.09,373.38 ; D115.A6 335.28,372.57 ; D115.A6 335.28,374.19 ; D115.A6 334.47,373.38 ; D119.B1 160.83,58.42 ; D119.B1 159.21,58.42 ; D119.B1 160.02,59.23 ; D119.B1 160.02,57.61 ; 250.65,81.28 D122.B8 ; D122.B8 251.46,82.09 ; D122.B8 252.27,81.28 ; D122.B8 251.46,80.47 ; D112.B16 383.54,389.43 ; D112.B16 383.54,387.81 ; D112.B16 384.35,388.62 ; D112.B16 382.73,388.62 ; 175.26,62.79 D318.A7 ; D318.A7 174.55,63.5 ; D318.A7 175.26,64.21 ; D318.A7 175.97,63.5 ; 247.85,241.33 SITE1.G1 ; SITE1.G1 248.81,241.33 ; SITE1.G1 248.33,240.85 ; SITE1.G1 248.33,241.81 ; 400.51,370.84 D111.B9 ; D111.B9 402.13,370.84 ; D111.B9 401.32,370.03 ; D111.B9 401.32,371.65 ; 30.48,95.71 D125.A8 ; D125.A8 29.67,96.52 ; D125.A8 30.48,97.33 ; D125.A8 31.29,96.52 ; D114.B16 309.88,348.79 ; D114.B16 309.07,347.98 ; D114.B16 309.88,347.17 ; D114.B16 310.69,347.98 ; D131.B2 88.9,61.77 ; D131.B2 88.09,60.96 ; D131.B2 89.71,60.96 ; D131.B2 88.9,60.15 ; 27.94,37.29 D128.B7 ; D128.B7 27.94,38.91 ; D128.B7 28.75,38.1 ; D128.B7 27.13,38.1 ; D120.B13 191.31,38.1 ; D120.B13 189.69,38.1 ; D120.B13 190.5,38.91 ; D120.B13 190.5,37.29 ; D109.B14 388.62,328.47 ; D109.B14 388.62,326.85 ; D109.B14 389.43,327.66 ; D109.B14 387.81,327.66 ; D110.A16 383.54,353.87 ; D110.A16 384.35,353.06 ; D110.A16 382.73,353.06 ; D110.A16 383.54,352.25 ; 320.04,352.25 D114.A12 ; D114.A12 320.85,353.06 ; D114.A12 319.23,353.06 ; D114.A12 320.04,353.87 ; D431.B2 198.12,379.27 ; D431.B2 198.12,377.65 ; D431.B2 197.31,378.46 ; D431.B2 198.93,378.46 ; D115.A12 320.04,374.19 ; D115.A12 320.85,373.38 ; D115.A12 320.04,372.57 ; D115.A12 319.23,373.38 ; 410.67,53.34 D107.A13 ; D107.A13 411.48,54.15 ; D107.A13 412.29,53.34 ; D107.A13 411.48,52.53 ; 401.32,395.43 D112.A9 ; D112.A9 402.13,396.24 ; D112.A9 401.32,397.05 ; D112.A9 400.51,396.24 ; 321.87,88.9 D301.B7 ; D301.B7 322.58,88.19 ; D301.B7 323.29,88.9 ; D301.B7 322.58,89.61 ; D305.A14 414.02,87.07 ; D305.A14 414.73,86.36 ; D305.A14 414.02,85.65 ; D305.A14 413.31,86.36 ; D129.B1 86.36,99.87 ; D129.B1 86.36,98.25 ; D129.B1 87.17,99.06 ; D129.B1 85.55,99.06 ; 406.4,88.19 D305.B11 ; D305.B11 405.69,88.9 ; D305.B11 406.4,89.61 ; D305.B11 407.11,88.9 ; 256.54,65.33 D322.A10 ; D322.A10 257.25,66.04 ; D322.A10 255.83,66.04 ; D322.A10 256.54,66.75 ; 182.07,76.2 D118.A10 ; D118.A10 183.69,76.2 ; D118.A10 182.88,77.01 ; D118.A10 182.88,75.39 ; D301.A4 314.96,87.07 ; D301.A4 315.67,86.36 ; D301.A4 314.25,86.36 ; D301.A4 314.96,85.65 ; 345.44,90.73 D301.B16 ; D301.B16 344.73,91.44 ; D301.B16 346.15,91.44 ; D301.B16 345.44,92.15 ; 273.51,340.36 CSDPS425.C1 ; CSDPS425.C1 275.13,340.36 ; CSDPS425.C1 274.32,339.55 ; CSDPS425.C1 274.32,341.17 ; 98.25,55.88 D131.A6 ; D131.A6 99.06,56.69 ; D131.A6 99.87,55.88 ; D131.A6 99.06,55.07 ; 406.4,354.79 D110.A7 ; D110.A7 406.4,356.41 ; D110.A7 407.21,355.6 ; D110.A7 405.59,355.6 ; D132.B6 99.87,40.64 ; D132.B6 99.06,39.83 ; D132.B6 98.25,40.64 ; D132.B6 99.06,41.45 ; D106.A15 416.56,74.47 ; D106.A15 416.56,72.85 ; D106.A15 417.37,73.66 ; D106.A15 415.75,73.66 ; D104.A13 337.82,33.83 ; D104.A13 338.63,33.02 ; D104.A13 337.01,33.02 ; D104.A13 337.82,32.21 ; 329.39,332.74 D113.A8 ; D113.A8 331.01,332.74 ; D113.A8 330.2,333.55 ; D113.A8 330.2,331.93 ; 410.67,78.74 D106.B13 ; D106.B13 411.48,77.93 ; D106.B13 412.29,78.74 ; D106.B13 411.48,79.55 ; D431.A9 181.15,386.08 ; D431.A9 179.53,386.08 ; D431.A9 180.34,385.27 ; D431.A9 180.34,386.89 ; D120.A10 182.88,36.37 ; D120.A10 182.88,34.75 ; D120.A10 182.07,35.56 ; D120.A10 183.69,35.56 ; D122.A2 236.22,77.01 ; D122.A2 236.22,75.39 ; D122.A2 237.03,76.2 ; D122.A2 235.41,76.2 ; 309.88,387.81 D116.B16 ; D116.B16 310.69,388.62 ; D116.B16 309.07,388.62 ; D116.B16 309.88,389.43 ; 405.59,375.92 D111.A7 ; D111.A7 407.21,375.92 ; D111.A7 406.4,375.11 ; D111.A7 406.4,376.73 ; D109.A15 386.08,336.09 ; D109.A15 385.27,335.28 ; D109.A15 386.08,334.47 ; D109.A15 386.89,335.28 ; D104.A11 333.55,33.02 ; D104.A11 331.93,33.02 ; D104.A11 332.74,33.83 ; D104.A11 332.74,32.21 ; D129.B7 102.41,99.06 ; D129.B7 101.6,99.87 ; D129.B7 101.6,98.25 ; D129.B7 100.79,99.06 ; D106.A4 389.43,76.2 ; D106.A4 388.62,77.01 ; D106.A4 387.81,76.2 ; D106.A4 388.62,75.39 ; 48.26,32.21 D128.A15 ; D128.A15 49.07,33.02 ; D128.A15 47.45,33.02 ; D128.A15 48.26,33.83 ; 261.62,75.39 D122.A12 ; D122.A12 260.81,76.2 ; D122.A12 262.43,76.2 ; D122.A12 261.62,77.01 ; D431.A17 160.02,386.89 ; D431.A17 160.83,386.08 ; D431.A17 159.21,386.08 ; D431.A17 160.02,385.27 ; 166.83,342.9 CSDPS429.B14 ; CSDPS429.B14 167.64,343.71 ; CSDPS429.B14 168.45,342.9 ; CSDPS429.B14 167.64,342.09 ; D306.B3 386.79,68.58 ; D306.B3 386.08,69.29 ; D306.B3 386.08,67.87 ; D306.B3 385.37,68.58 ; 344.63,347.98 D114.B2 ; D114.B2 345.44,348.79 ; D114.B2 345.44,347.17 ; D114.B2 346.25,347.98 ; CSDPS225.C5 264.97,330.2 ; CSDPS225.C5 264.16,331.01 ; CSDPS225.C5 263.35,330.2 ; CSDPS225.C5 264.16,329.39 ; 419.1,39.83 D108.B16 ; D108.B16 419.91,40.64 ; D108.B16 418.29,40.64 ; D108.B16 419.1,41.45 ; D128.A9 33.02,33.83 ; D128.A9 32.21,33.02 ; D128.A9 33.02,32.21 ; D128.A9 33.83,33.02 ; D111.A1 421.64,376.73 ; D111.A1 421.64,375.11 ; D111.A1 422.45,375.92 ; D111.A1 420.83,375.92 ; 91.44,52.53 D131.A3 ; D131.A3 90.63,53.34 ; D131.A3 92.25,53.34 ; D131.A3 91.44,54.15 ; 253.29,63.5 D322.A9 ; D322.A9 254,62.79 ; D322.A9 254.71,63.5 ; D322.A9 254,64.21 ; D130.A4 93.98,77.01 ; D130.A4 93.98,75.39 ; D130.A4 94.79,76.2 ; D130.A4 93.17,76.2 ; D108.A14 414.83,35.56 ; D108.A14 414.02,34.75 ; D108.A14 414.02,36.37 ; D108.A14 413.21,35.56 ; 421.64,370.03 D111.B1 ; D111.B1 420.83,370.84 ; D111.B1 422.45,370.84 ; D111.B1 421.64,371.65 ; 322.58,409.4 DPS2.C11 ; DPS2.C11 321.77,410.21 ; DPS2.C11 323.39,410.21 ; DPS2.C11 322.58,411.02 ; D301.A14 340.36,87.07 ; D301.A14 340.36,85.65 ; D301.A14 341.07,86.36 ; D301.A14 339.65,86.36 ; 184.71,68.58 D318.B11 ; D318.B11 186.13,68.58 ; D318.B11 185.42,67.87 ; D318.B11 185.42,69.29 ; CSDPS229.C1 201.47,330.2 ; CSDPS229.C1 200.66,331.01 ; CSDPS229.C1 200.66,329.39 ; CSDPS229.C1 199.85,330.2 ; D109.A7 406.4,336.09 ; D109.A7 405.59,335.28 ; D109.A7 406.4,334.47 ; D109.A7 407.21,335.28 ; 166.83,40.64 D120.B4 ; D120.B4 167.64,39.83 ; D120.B4 168.45,40.64 ; D120.B4 167.64,41.45 ; 395.43,335.28 D109.A11 ; D109.A11 396.24,336.09 ; D109.A11 397.05,335.28 ; D109.A11 396.24,334.47 ; D126.A4 20.32,77.01 ; D126.A4 21.13,76.2 ; D126.A4 20.32,75.39 ; D126.A4 19.51,76.2 ; D301.B5 318.21,88.9 ; D301.B5 316.79,88.9 ; D301.B5 317.5,89.61 ; D301.B5 317.5,88.19 ; D431.A4 193.04,384.35 ; D431.A4 192.23,383.54 ; D431.A4 193.85,383.54 ; D431.A4 193.04,382.73 ; D318.A8 178.51,66.04 ; D318.A8 177.09,66.04 ; D318.A8 177.8,66.75 ; D318.A8 177.8,65.33 ; 268.53,68.58 D322.B15 ; D322.B15 269.24,69.29 ; D322.B15 269.95,68.58 ; D322.B15 269.24,67.87 ; 42.37,73.66 D126.A13 ; D126.A13 43.99,73.66 ; D126.A13 43.18,74.47 ; D126.A13 43.18,72.85 ; D317.A12 188.67,86.36 ; D317.A12 187.25,86.36 ; D317.A12 187.96,87.07 ; D317.A12 187.96,85.65 ; D129.B12 115.11,101.6 ; D129.B12 114.3,100.79 ; D129.B12 114.3,102.41 ; D129.B12 113.49,101.6 ; D306.B6 393.7,71.83 ; D306.B6 394.41,71.12 ; D306.B6 393.7,70.41 ; D306.B6 392.99,71.12 ; 40.64,34.75 D128.A12 ; D128.A12 41.45,35.56 ; D128.A12 40.64,36.37 ; D128.A12 39.83,35.56 ; 187.25,71.12 D318.B12 ; D318.B12 188.67,71.12 ; D318.B12 187.96,71.83 ; D318.B12 187.96,70.41 ; D106.A9 402.13,73.66 ; D106.A9 400.51,73.66 ; D106.A9 401.32,74.47 ; D106.A9 401.32,72.85 ; 330.85,241.33 SITE2.G4 ; SITE2.G4 331.33,240.85 ; SITE2.G4 331.81,241.33 ; SITE2.G4 331.33,241.81 ; 167.64,60.15 D119.B4 ; D119.B4 166.83,60.96 ; D119.B4 167.64,61.77 ; D119.B4 168.45,60.96 ; D127.B13 43.99,58.42 ; D127.B13 42.37,58.42 ; D127.B13 43.18,59.23 ; D127.B13 43.18,57.61 ; 321.77,335.28 D113.A11 ; D113.A11 323.39,335.28 ; D113.A11 322.58,336.09 ; D113.A11 322.58,334.47 ; 253.33,187.45 SITE3.G12 ; SITE3.G12 253.33,188.41 ; SITE3.G12 253.81,187.93 ; SITE3.G12 252.85,187.93 ; 340.36,387.81 D116.B4 ; D116.B4 339.55,388.62 ; D116.B4 340.36,389.43 ; D116.B4 341.17,388.62 ; 185.42,37.29 D120.B11 ; D120.B11 186.23,38.1 ; D120.B11 185.42,38.91 ; D120.B11 184.61,38.1 ; 387.81,332.74 D109.A14 ; D109.A14 389.43,332.74 ; D109.A14 388.62,331.93 ; D109.A14 388.62,333.55 ; D131.B12 115.11,60.96 ; D131.B12 114.3,60.15 ; D131.B12 113.49,60.96 ; D131.B12 114.3,61.77 ; D110.B7 406.4,351.33 ; D110.B7 405.59,350.52 ; D110.B7 406.4,349.71 ; D110.B7 407.21,350.52 ; 16.97,78.74 D126.B3 ; D126.B3 17.78,77.93 ; D126.B3 17.78,79.55 ; D126.B3 18.59,78.74 ; 103.33,96.52 D129.A8 ; D129.A8 104.14,97.33 ; D129.A8 104.14,95.71 ; D129.A8 104.95,96.52 ; D131.B8 104.14,61.77 ; D131.B8 104.95,60.96 ; D131.B8 103.33,60.96 ; D131.B8 104.14,60.15 ; D306.A15 417.27,63.5 ; D306.A15 415.85,63.5 ; D306.A15 416.56,64.21 ; D306.A15 416.56,62.79 ; D116.B5 337.82,391.97 ; D116.B5 337.82,390.35 ; D116.B5 338.63,391.16 ; D116.B5 337.01,391.16 ; 324.31,60.96 D103.B8 ; D103.B8 325.93,60.96 ; D103.B8 325.12,61.77 ; D103.B8 325.12,60.15 ; 342.09,330.2 D113.B3 ; D113.B3 342.9,331.01 ; D113.B3 342.9,329.39 ; D113.B3 343.71,330.2 ; 90.63,99.06 D129.B3 ; D129.B3 91.44,99.87 ; D129.B3 91.44,98.25 ; D129.B3 92.25,99.06 ; D123.A11 259.89,53.34 ; D123.A11 259.08,54.15 ; D123.A11 258.27,53.34 ; D123.A11 259.08,52.53 ; 309.07,332.74 D113.A16 ; D113.A16 309.88,333.55 ; D113.A16 310.69,332.74 ; D113.A16 309.88,331.93 ; 383.54,90.73 D305.B2 ; D305.B2 382.83,91.44 ; D305.B2 384.25,91.44 ; D305.B2 383.54,92.15 ; D116.B7 332.74,391.97 ; D116.B7 333.55,391.16 ; D116.B7 331.93,391.16 ; D116.B7 332.74,390.35 ; 20.32,100.79 D125.B4 ; D125.B4 21.13,101.6 ; D125.B4 20.32,102.41 ; D125.B4 19.51,101.6 ; D115.A4 341.17,373.38 ; D115.A4 340.36,372.57 ; D115.A4 339.55,373.38 ; D115.A4 340.36,374.19 ; D118.B11 186.23,78.74 ; D118.B11 185.42,77.93 ; D118.B11 185.42,79.55 ; D118.B11 184.61,78.74 ; D126.A16 51.61,76.2 ; D126.A16 50.8,75.39 ; D126.A16 50.8,77.01 ; D126.A16 49.99,76.2 ; D119.A9 180.34,54.15 ; D119.A9 180.34,52.53 ; D119.A9 179.53,53.34 ; D119.A9 181.15,53.34 ; D109.A9 402.13,335.28 ; D109.A9 400.51,335.28 ; D109.A9 401.32,334.47 ; D109.A9 401.32,336.09 ; D123.A15 269.24,54.15 ; D123.A15 269.24,52.53 ; D123.A15 268.43,53.34 ; D123.A15 270.05,53.34 ; 192.33,91.44 D317.B14 ; D317.B14 193.75,91.44 ; D317.B14 193.04,92.15 ; D317.B14 193.04,90.73 ; D104.B9 328.47,38.1 ; D104.B9 326.85,38.1 ; D104.B9 327.66,38.91 ; D104.B9 327.66,37.29 ; 164.29,58.42 D119.B3 ; D119.B3 165.1,57.61 ; D119.B3 165.91,58.42 ; D119.B3 165.1,59.23 ; 342.9,77.93 D102.B15 ; D102.B15 342.9,79.55 ; D102.B15 343.71,78.74 ; D102.B15 342.09,78.74 ; D119.A6 173.53,55.88 ; D119.A6 171.91,55.88 ; D119.A6 172.72,56.69 ; D119.A6 172.72,55.07 ; D119.A10 183.69,55.88 ; D119.A10 182.88,55.07 ; D119.A10 182.88,56.69 ; D119.A10 182.07,55.88 ; D321.A9 254.71,83.82 ; D321.A9 254,84.53 ; D321.A9 254,83.11 ; D321.A9 253.29,83.82 ; 177.8,55.07 D119.A8 ; D119.A8 178.61,55.88 ; D119.A8 176.99,55.88 ; D119.A8 177.8,56.69 ; D102.A9 327.66,74.47 ; D102.A9 327.66,72.85 ; D102.A9 328.47,73.66 ; D102.A9 326.85,73.66 ; D107.B9 402.13,58.42 ; D107.B9 401.32,59.23 ; D107.B9 400.51,58.42 ; D107.B9 401.32,57.61 ; 416.56,375.11 D111.A3 ; D111.A3 416.56,376.73 ; D111.A3 417.37,375.92 ; D111.A3 415.75,375.92 ; 398.78,34.75 D108.A8 ; D108.A8 397.97,35.56 ; D108.A8 398.78,36.37 ; D108.A8 399.59,35.56 